# Altium PCB PCB2.PcbDoc (part 1 of 4) (continued)
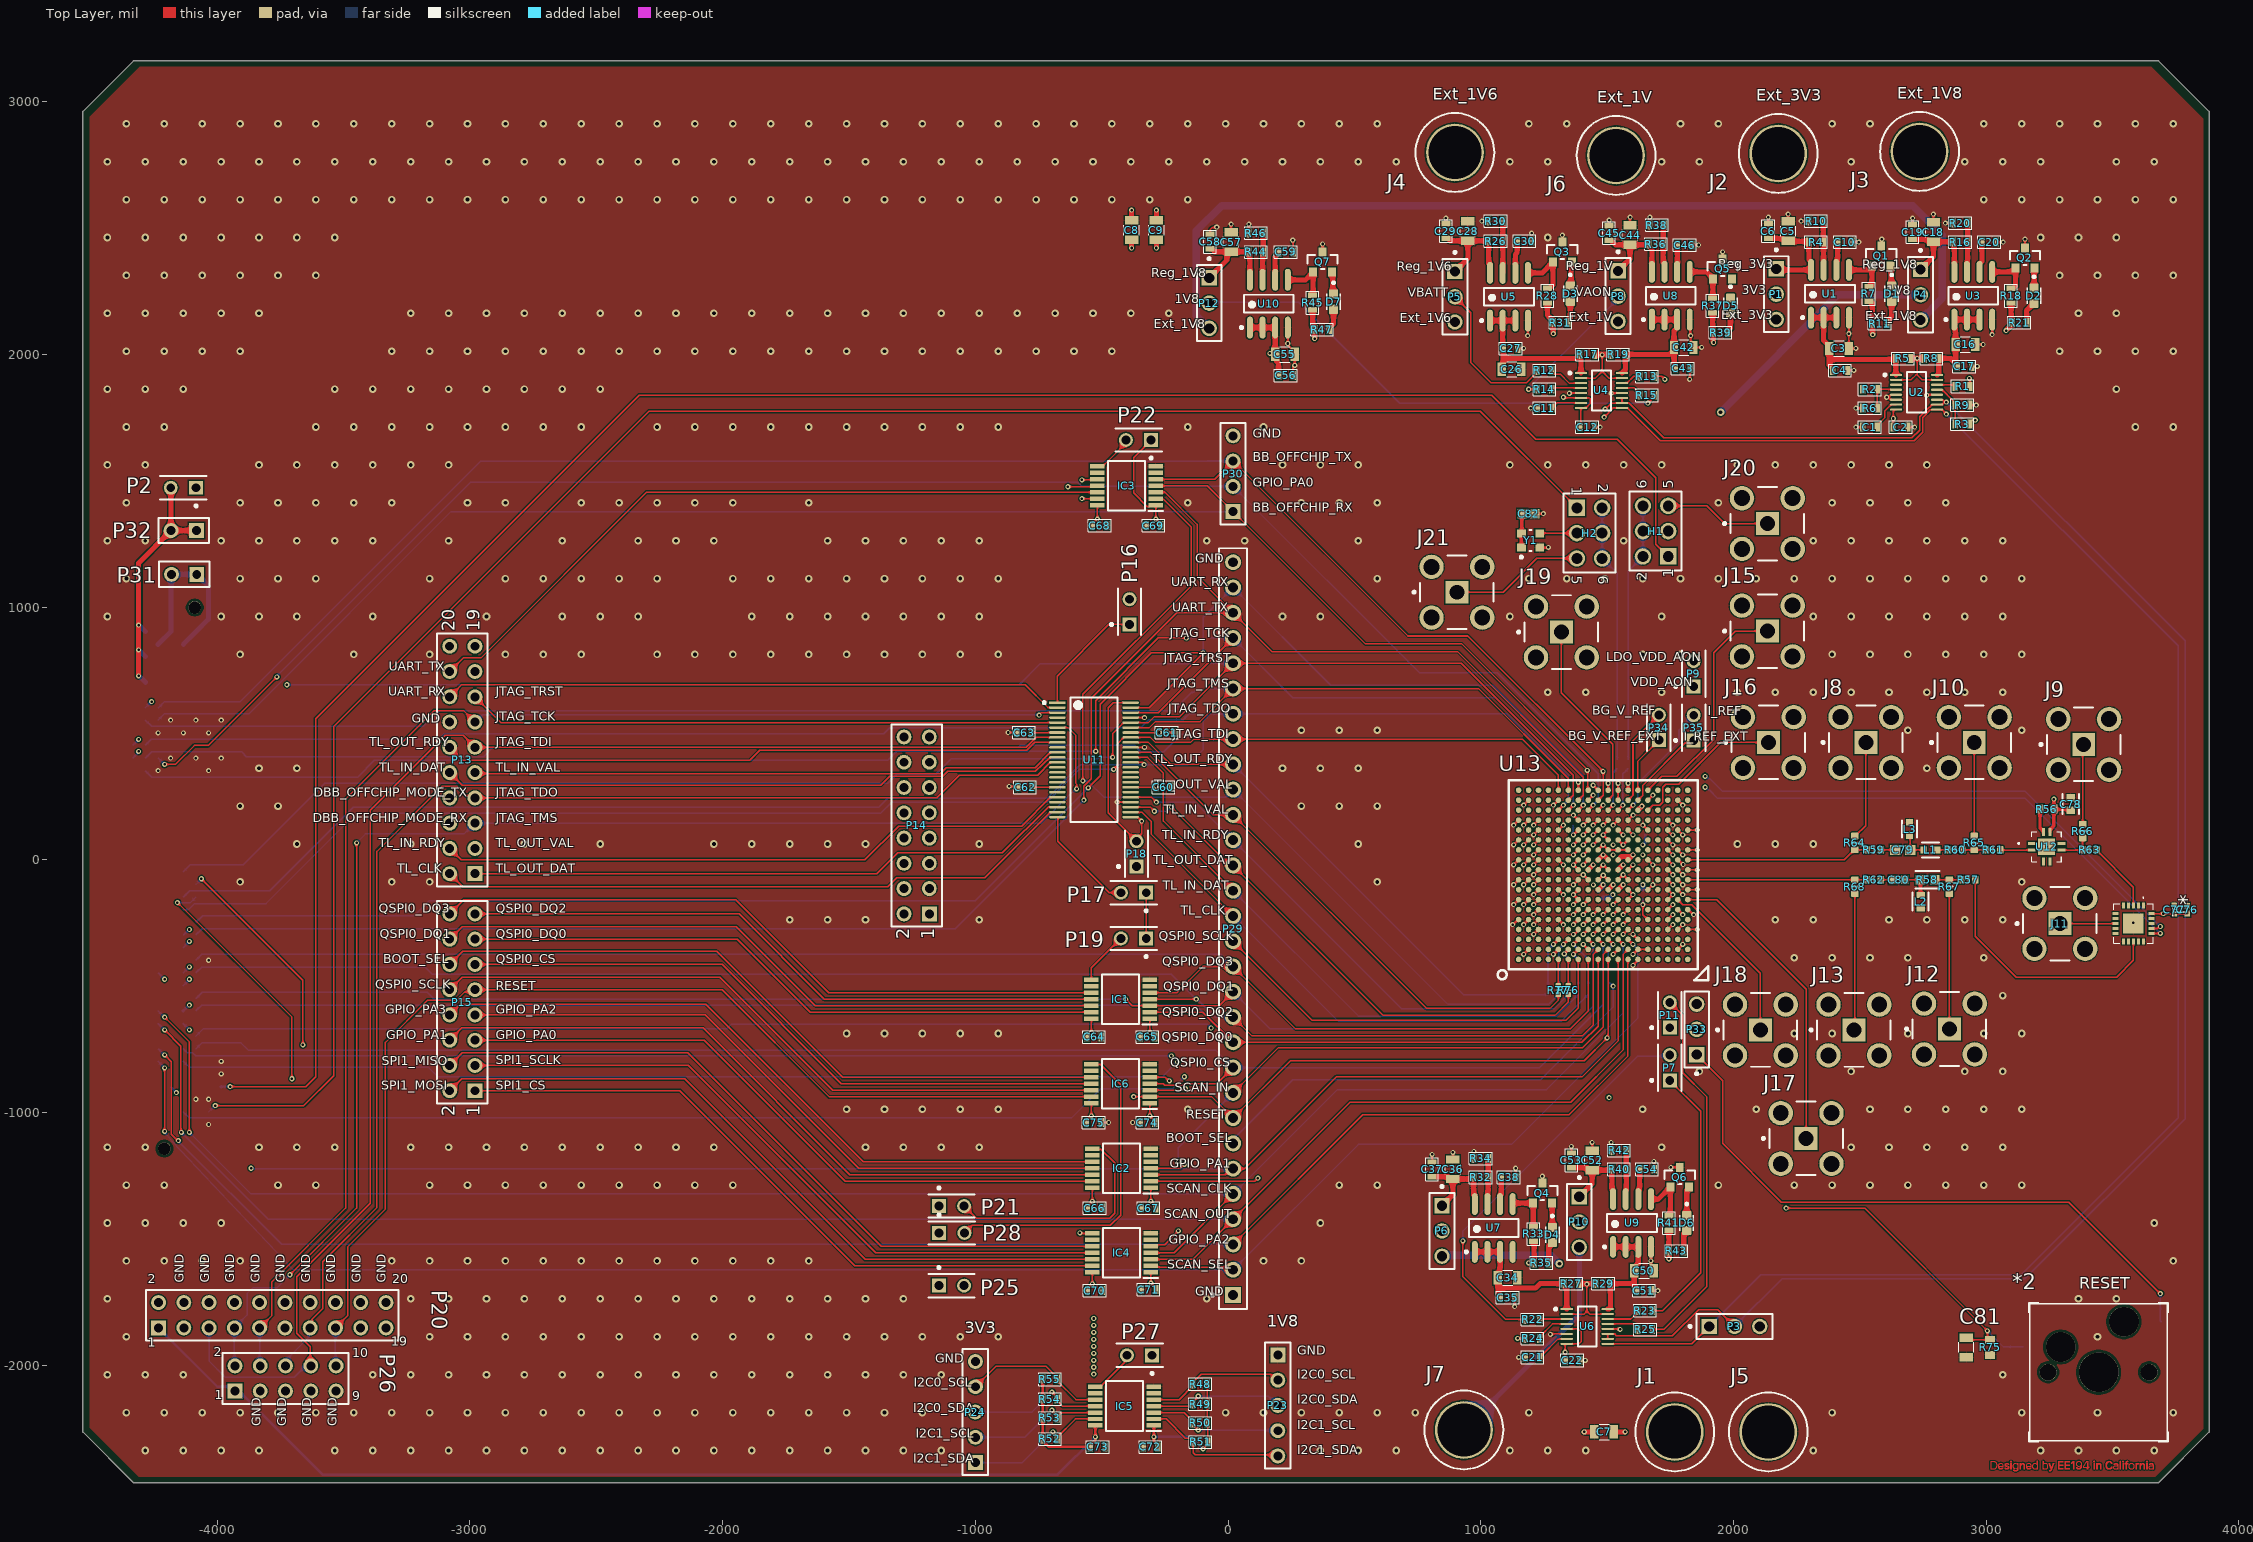
[diagram p0: Top Layer view]
## Components (designator, comment, footprint, x,y, rotation, side; value= is the part's Value field where it differs from the comment) (continued)
C77 "22pF" CAPC0402(1005)60_L 3744.09,-196.85 r90 top
C78 "1nF" FP-CL10-IPC_C 3334.65,220.47 r90 top
C79 "5.1p" CAPC1608X90X35NL15T15 2669.29,39.37 r0 top
C80 "3.6pF" CAPC1608X74X38LL10T13 2653.54,-78.74 r180 top
C81 "Cap" 0805 2921.26,-1929.13 r90 top value=10uF
C82 "Capacitor 100 nF +/-10% 50 V 0603" CAPC1608X90X40NL10T20 1188.98,1370.08 r180 top value=100nF
D1 "LTW-C191DS5" LED0603 2625.98,2240.16 r270 top
D2 "LTW-C191DS5" LED0603 3188.98,2232.28 r270 top
D3 "LTW-C191DS5" LED0603 1354.33,2240.16 r270 top
D4 "LTW-C191DS5" LED0603 1283.46,-1484.25 r270 top
D5 "LTW-C191DS5" LED0603 1988.19,2192.91 r270 top
D6 "LTW-C191DS5" LED0603 1814.96,-1437.01 r270 top
D7 "LTW-C191DS5" LED0603 417.32,2208.66 r270 top
H1 "61300621121" 61300621121 1691.73,1300.79 r90 top
H2 "61300621121" 61300621121 1430.31,1292.91 r270 top
IC1 "LSF0204QPWRQ1" SOP65P640X120-14N -425.2,-551.18 r180 top
IC2 "LSF0204QPWRQ1" SOP65P640X120-14N -421.26,-1220.47 r180 top
IC3 "LSF0204QPWRQ1" SOP65P640X120-14N -401.57,1480.32 r180 top
IC4 "LSF0204QPWRQ1" SOP65P640X120-14N -421.26,-1555.12 r180 top
IC5 "LSF0204QPWRQ1" SOP65P640X120-14N -409.45,-2161.42 r180 top
IC6 "LSF0204QPWRQ1" SOP65P640X120-14N -425.2,-885.83 r180 top
J1 "575-8" KSTN-575-8 1767.72,-2263.78 r0 top
J2 "575-8" KSTN-575-8 2177.17,2795.28 r0 top
J3 "575-8" KSTN-575-8 2736.22,2803.15 r0 top
J4 "575-8" KSTN-575-8 897.64,2799.21 r0 top
J5 "575-8" KSTN-575-8 2137.8,-2263.78 r0 top
J6 "575-8" KSTN-575-8 1535.43,2787.4 r0 top
J7 "575-8" KSTN-575-8 933.07,-2255.91 r0 top
J8 "Con RF SMA" FP-RF2-04A-T-00-50-G-MFG 2523.62,464.57 r0 top
J9 "Con RF SMA" FP-RF2-04A-T-00-50-G-MFG 3385.83,456.69 r0 top
J10 "Con RF SMA" FP-RF2-04A-T-00-50-G-MFG 2952.76,464.57 r0 top
J11 "Con RF SMA" FP-RF2-04A-T-00-50-G-MFG 3291.34,-251.97 r0 top
J12 "Con RF SMA" FP-RF2-04A-T-00-50-G-MFG 2854.33,-669.29 r0 top
J13 "Con RF SMA" FP-RF2-04A-T-00-50-G-MFG 2476.38,-673.23 r0 top
J14 "ASP-134488-01" SAMTEC_ASP-134488-01 -4209.25,-72.24 r270 bottom locked
J15 "Con RF SMA" FP-RF2-04A-T-00-50-G-MFG 2133.86,905.51 r0 top
J16 "Con RF SMA" FP-RF2-04A-T-00-50-G-MFG 2137.8,464.57 r0 top
J17 "Con RF SMA" FP-RF2-04A-T-00-50-G-MFG 2287.4,-1102.36 r0 top
J18 "Con RF SMA" FP-RF2-04A-T-00-50-G-MFG 2106.3,-673.23 r0 top
J19 "Con RF SMA" FP-RF2-04A-T-00-50-G-MFG 1318.9,901.57 r0 top
J20 "Con RF SMA" FP-RF2-04A-T-00-50-G-MFG 2133.86,1330.71 r0 top
J21 "Con RF SMA" FP-RF2-04A-T-00-50-G-MFG 905.51,1059.06 r0 top
L1 "3.3nH" FP-LQG18HH_00-MFG 2779.53,39.37 r0 top
L2 "0.5nH" FP-LQW18AN_00-MFG 2740.16,-165.35 r90 top
L3 "3.9nH" FP-LQG18HH_00-MFG 2696.85,122.05 r90 top
P1 "22-28-4033" MOLX-22-28-4033_V 2169.29,2238.58 r270 top
P2 "5-146280-2" TECO-5-146280-2_V -4133.86,1472.44 r180 top
P3 "22-28-4033" MOLX-22-28-4033_V 2003.94,-1846.46 r0 top
P4 "22-28-4033" MOLX-22-28-4033_V 2740.16,2236.22 r270 top
P5 "22-28-4033" MOLX-22-28-4033_V 897.64,2228.35 r270 top
P6 "22-28-4033" MOLX-22-28-4033_V 846.46,-1468.5 r270 top
P7 "5-146280-2" TECO-5-146280-2_V 1748.03,-822.83 r90 top
P8 "22-28-4033" MOLX-22-28-4033_V 1543.31,2230.71 r270 top
P9 "5-146280-2" TECO-5-146280-2_V 1842.52,736.22 r90 top
P10 "22-28-4033" MOLX-22-28-4033_V 1389.76,-1433.07 r270 top
P11 "5-146280-2" TECO-5-146280-2_V 1748.03,-614.17 r90 top
P12 "22-28-4033" MOLX-22-28-4033_V -74.8,2203.15 r270 top
P13 "Header 10X2" HDR2X10 -2980.32,-54.72 r90 top
P14 "Header 8X2" HDR2X8 -1182.32,-213.72 r90 top locked
P15 "Header 8X2" HDR2X8 -2980.32,-913.72 r90 top
P16 "5-146280-2" TECO-5-146280-2_V -389.76,981.5 r90 top
P17 "5-146280-2" TECO-5-146280-2_V -374.02,-129.92 r180 top
P18 "5-146280-2" TECO-5-146280-2_V -362.2,23.62 r90 top
P19 "5-146280-2" TECO-5-146280-2_V -374.02,-311.02 r180 top
P20 "Header 10X2" HDR2X10 -4232.28,-1851.97 r0 top
P21 "5-146280-2" TECO-5-146280-2_V -1094.49,-1370.08 r0 top
P22 "5-146280-2" TECO-5-146280-2_V -354.33,1661.42 r180 top
P23 "Header 5" HDR1X5 196.85,-1959.06 r270 top
P24 "Header 5" HDR1X5 -1000,-2385.04 r90 top
P25 "5-146280-2" TECO-5-146280-2_V -1094.49,-1685.04 r0 top
P26 "Header 5X2" HDR2X5 -3929.92,-2102.36 r0 top
P27 "5-146280-2" TECO-5-146280-2_V -350.39,-1960.63 r180 top
P28 "5-146280-2" TECO-5-146280-2_V -1093.31,-1476.38 r0 top
P29 "Header 30" HDR1X30 19.68,-1722.05 r90 top locked
P30 "Header 4" HDR1X4 19.68,1377.95 r90 top
P31 "Header 2" HDR1X2 -4081.1,1129.92 r180 top
P32 "Header 2" HDR1X2 -4082.68,1303.15 r180 top
P33 "22-28-4033" MOLX-22-28-4033_V 1854.33,-670.87 r90 top
P34 "5-146280-2" TECO-5-146280-2_V 1704.72,523.62 r90 top
P35 "5-146280-2" TECO-5-146280-2_V 1842.52,522.44 r90 top
Q1 "FDV301N" FP-318-08-MFG 2584.65,2389.76 r90 top
Q2 "FDV301N" FP-318-08-MFG 3153.54,2381.89 r90 top
Q3 "FDV301N" FP-318-08-MFG 1322.83,2405.51 r90 top
Q4 "FDV301N" FP-318-08-MFG 1244.09,-1318.9 r90 top
Q5 "FDV301N" FP-318-08-MFG 1956.69,2338.58 r90 top
Q6 "FDV301N" FP-318-08-MFG 1787.4,-1255.91 r90 top
Q7 "FDV301N" FP-318-08-MFG 374.02,2366.14 r90 top
R1 "Res1" 0603 2906.69,1874.02 r180 top value=1K
R2 "Res1" 0603 2539.37,1862.2 r0 top value=1K
R3 "Res1" 0603 2905.51,1724.41 r180 top value=1K
R4 "Res1" 0603 2326.77,2444.88 r180 top value=704.9K
R5 "Res1" 0603 2670.47,1984.25 r0 top value=0.05
R6 "Res1" 0603 2539.37,1787.4 r180 top value=1K
R7 "Res1" 0603 2535.43,2240.16 r90 top value=10K
R8 "Res1" 0603 2783.46,1984.25 r180 top value=0.05
R9 "Res1" 0603 2905.51,1799.21 r0 top value=1K
R10 "Res1" 0603 2326.77,2527.56 r0 top value=100K
R11 "Res1" 0603 2578.74,2122.05 r0 top value=110
R12 "Res1" 0603 1251.97,1937.01 r0 top value=1K
R13 "Res1" 0603 1657.48,1913.39 r180 top value=1K
R14 "Res1" 0603 1251.97,1862.2 r0 top value=1K
R15 "Res1" 0603 1657.48,1838.58 r180 top value=1K
R16 "Res1" 0603 2897.64,2444.88 r180 top value=339K
R17 "Res1" 0603 1421.26,2000 r0 top value=0.05
R18 "Res1" 0603 3098.43,2232.28 r90 top value=10K
R19 "Res1" 0603 1543.31,2000 r180 top value=0.05
R20 "Res1" 0603 2897.64,2519.69 r0 top value=100K
R21 "Res1" 0603 3131.1,2125.98 r0 top value=110
R22 "Res1" 0603 1204.72,-1818.9 r0 top value=1K
R23 "Res1" 0603 1649.61,-1783.46 r180 top value=1K
R24 "Res1" 0603 1204.72,-1893.7 r0 top value=1K
R25 "Res1" 0603 1650.79,-1858.27 r180 top value=1K
R26 "Res1" 0603 1059.06,2448.82 r180 top value=297.2K
R27 "Res1" 0603 1358.27,-1677.17 r0 top value=0.05
R28 "Res1" 0603 1263.78,2232.28 r90 top value=10K
R29 "Res1" 0603 1484.25,-1677.17 r180 top value=0.05
R30 "Res1" 0603 1059.06,2527.56 r0 top value=100K
R31 "Res1" 0603 1314.96,2125.98 r0 top value=110
R32 "Res1" 0603 1000,-1255.91 r180 top value=107.3K
R33 "Res1" 0603 1208.66,-1480.31 r90 top value=10K
R34 "Res1" 0603 1000,-1181.1 r0 top value=100K
R35 "Res1" 0603 1240.16,-1594.49 r0 top value=165
R36 "Res1" 0603 1692.91,2437.01 r180 top value=107.3K
R37 "Res1" 0603 1917.32,2192.91 r90 top value=10K
R38 "Res1" 0603 1696.85,2511.81 r0 top value=100K
R39 "Res1" 0603 1948.82,2086.61 r0 top value=165
R40 "Res1" 0603 1547.24,-1224.41 r180 top value=107.3K
R41 "Res1" 0603 1744.09,-1437.01 r90 top value=10K
R42 "Res1" 0603 1547.24,-1149.61 r0 top value=100K
R43 "Res1" 0603 1774.41,-1547.24 r0 top value=165
R44 "Res1" 0603 110.24,2405.51 r180 top value=339K
R45 "Res1" 0603 334.65,2204.72 r90 top value=10K
R46 "Res1" 0603 110.24,2480.32 r0 top value=100K
R47 "Res1" 0603 371.26,2098.43 r0 top value=110
R48 "Res1" 0603 -110.24,-2074.8 r0 top value=4.7K
R49 "Res1" 0603 -110.24,-2153.54 r0 top value=4.7K
R50 "Res1" 0603 -110.24,-2228.35 r0 top value=4.7K
R51 "Res1" 0603 -109.06,-2303.15 r0 top value=4.7K
R52 "Res1" 0603 -704.72,-2291.34 r180 top value=4.7K
R53 "Res1" 0603 -704.72,-2208.66 r180 top value=4.7K
R54 "Res1" 0603 -704.72,-2133.86 r180 top value=4.7K
R55 "Res1" 0603 -704.72,-2055.12 r180 top value=4.7K
R56 "33.2 Ohm" RESC1608X55X25NL10T15 3240.16,200.79 r0 top
R57 "0R3J" RESC0603(1608)_L 2929.13,-78.74 r0 top value=0
R58 "0 Ohm" FP-CRCW0603-C-IPC_B 2767.72,-78.74 r180 top
R59 "0R3J" RESC0603(1608)_L 2555.12,39.37 r180 top value=0
R60 "0R3J" RESC0603(1608)_L 2877.95,39.37 r180 top value=0
R61 "0R3J" RESC0603(1608)_L 3027.56,39.37 r180 top value=0
R62 "0R3J" RESC0603(1608)_L 2555.12,-78.74 r0 top value=0
R63 "0R3J" RESC0603(1608)_L 3409.45,39.37 r180 top value=0
R64 "0R3J" RESC0603(1608)_L 2480.31,66.93 r270 top value=0
R65 "0R3J" RESC0603(1608)_L 2952.76,66.93 r270 top value=0
R66 "0R3J" RESC0603(1608)_L 3381.89,114.17 r270 top value=0
R67 "0R3J" RESC0603(1608)_L 2854.33,-106.3 r90 top value=0
R68 "0R3J" RESC0603(1608)_L 2480.31,-106.3 r90 top value=0
R69 "0" 0603 -185.04,526.38 r90 bottom
R70 "0" 0603 -98.43,877.95 r0 bottom
R71 "0" 0603 -98.43,480.32 r0 bottom
R72 "0" 0603 -98.43,578.74 r0 bottom
R73 "0" 0603 -99.61,677.17 r0 bottom
R74 "0" 0603 -98.43,775.59 r0 bottom
R75 "Resistor 10k +/-1% 0603 100 mW" RESC1608X55X25ML10T15 3015.75,-1929.13 r90 top value=10k
R76 "0R2J" RESC0402(1005)_L 1346.46,-515.75 r270 top value=0
R77 "0R2J" RESC0402(1005)_L 1307.09,-515.75 r270 top value=0
R78 "0R2J" RESC0402(1005)_L 1385.83,-515.75 r270 bottom value=0
R79 "0R2J" RESC0402(1005)_L 1346.46,-515.75 r270 bottom value=0
R80 "0R2J" RESC0402(1005)_L 1539.37,377.95 r270 bottom value=0
R81 "0R2J" RESC0402(1005)_L 1425.2,-515.75 r270 bottom value=0
R82 "0R2J" RESC0402(1005)_L 1582.68,377.95 r270 bottom value=0
R83 "0R2J" RESC0402(1005)_L 1307.09,-515.75 r270 bottom value=0
R84 "0R2J" RESC0402(1005)_L 1267.72,-515.75 r270 bottom value=0
U1 "MCP1726-ADJE/SN" SOIC-SN8_N 2381.89,2240.16 r90 top
U2 "LTC2992IMS#PBF" FP-MS-16-05-08-1669-IPC_C 2724.41,1850.39 r0 top
U3 "MCP1726-ADJE/SN" SOIC-SN8_N 2948.82,2232.28 r90 top
U4 "LTC2992IMS#PBF" FP-MS-16-05-08-1669-IPC_C 1477.52,1857.4 r0 top
U5 "MCP1726-ADJE/SN" SOIC-SN8_N 1111.61,2228.35 r90 top
U6 "LTC2992IMS#PBF" FP-MS-16-05-08-1669-IPC_C 1421.26,-1846.46 r0 top
U7 "MCP1726-ADJE/SN" SOIC-SN8_N 1051.18,-1456.69 r90 top
U8 "MCP1726-ADJE/SN" SOIC-SN8_N 1751.97,2232.28 r90 top
U9 "MCP1726-ADJE/SN" SOIC-SN8_N 1598.43,-1437.01 r90 top
U10 "MCP1726-ADJE/SN" SOIC-SN8_N 161.42,2200.79 r90 top
U11 "SN74AVC16T245DGGR" FP-DGG0048A-IPC_B -530.53,395.67 r0 top
U12 "MNA-6A+" MNA-6A+-Footprint-1 3238.98,51.77 r0 top
U13 "SCuM-V" BGA324x18 1149.61,275.59 r0 top locked
Y1 "ECS-2520MVLC-320-CN-TR" FP-ECS-2520MVLC-MFG 1196.85,1263.78 r0 top

## Footprints (in the part's own frame and the unit in brackets; to place one, negate y for a bottom-side part, rotate by r counter-clockwise, add the part's x,y. Pads: shape width x height; smd on the part's side, far side on the other; paste and mask are expansions set on the pad)
0603 [mm]
  rect 0.55x0.9 smd: 1(-0.73,0) 2(0.73,0)
  silkscreen extent -1.14,-0.64 1.14,0.64
0805 [mm]
  rect 0.85x1.35 smd: 1(-0.98,0) 2(0.98,0)
  silkscreen extent -0.51,-0.76 0.51,0.76
61300621121 [mm] "Pin Header, pitch 2.54 mm, THT, Vertical, dual row, 6p"
  rect 1.65x1.65 hole 1.1: 1(-2.54,-1.27)
  round 1.65 hole 1.1: 2(-2.54,1.27) 3(0,-1.27) 4(0,1.27) 5(2.54,-1.27) 6(2.54,1.27)
  silkscreen extent -3.96,-2.62 3.96,2.62, body extent -3.81,-2.54 3.81,2.54, height 8.59
BGA324x18 [mm]
  round 0.56 smd: 1(0,0) 2(1,0) 3(2,0) 4(3,0) 5(4,0) 6(5,0) 7(6,0) 8(7,0) 9(8,0) 10(9,0) 11(10,0) 12(11,0) 13(12,0) 14(13,0) 15(14,0) 16(15,0) 17(16,0) 18(17,0) 19(0,-1) 20(1,-1) 21(2,-1) 22(3,-1) 23(4,-1) 24(5,-1) 25(6,-1) 26(7,-1) 27(8,-1) 28(9,-1) 29(10,-1) 30(11,-1) 31(12,-1) 32(13,-1) 33(14,-1) 34(15,-1) 35(16,-1) 36(17,-1) 37(0,-2) 38(1,-2) 39(2,-2) 40(3,-2) 41(4,-2) 42(5,-2) 43(6,-2) 44(7,-2) 45(8,-2) 46(9,-2) 47(10,-2) 48(11,-2) 49(12,-2) 50(13,-2) 51(14,-2) 52(15,-2) 53(16,-2) 54(17,-2) 55(0,-3) 56(1,-3) 57(2,-3) 58(3,-3) 59(4,-3) 60(5,-3) 61(6,-3) 62(7,-3) 63(8,-3) 64(9,-3) 65(10,-3) 66(11,-3) 67(12,-3) 68(13,-3) 69(14,-3) 70(15,-3) 71(16,-3) 72(17,-3) 73(0,-4) 74(1,-4) 75(2,-4) 76(3,-4) 77(4,-4) 78(5,-4) 79(6,-4) 80(7,-4) 81(8,-4) 82(9,-4) 83(10,-4) 84(11,-4) 85(12,-4) 86(13,-4) 87(14,-4) 88(15,-4) 89(16,-4) 90(17,-4) 91(0,-5) 92(1,-5) 93(2,-5) 94(3,-5) 95(4,-5) 96(5,-5) 97(6,-5) 98(7,-5) 99(8,-5) 100(9,-5) 101(10,-5) 102(11,-5) 103(12,-5) 104(13,-5) 105(14,-5) 106(15,-5) 107(16,-5) 108(17,-5) 109(0,-6) 110(1,-6) 111(2,-6) 112(3,-6) 113(4,-6) 114(5,-6) 115(6,-6) 116(7,-6) 117(8,-6) 118(9,-6) 119(10,-6) 120(11,-6) 121(12,-6) 122(13,-6) 123(14,-6) 124(15,-6) 125(16,-6) 126(17,-6) 127(0,-7) 128(1,-7) 129(2,-7) 130(3,-7) 131(4,-7) 132(5,-7) 133(6,-7) 134(7,-7) 135(8,-7) 136(9,-7) 137(10,-7) 138(11,-7) 139(12,-7) 140(13,-7) 141(14,-7) 142(15,-7) 143(16,-7) 144(17,-7) 145(0,-8) 146(1,-8) 147(2,-8) 148(3,-8) 149(4,-8) 150(5,-8) 151(6,-8) 152(7,-8) 153(8,-8) 154(9,-8) 155(10,-8) 156(11,-8) 157(12,-8) 158(13,-8) 159(14,-8) 160(15,-8) 161(16,-8) 162(17,-8) 163(0,-9) 164(1,-9) 165(2,-9) 166(3,-9) 167(4,-9) 168(5,-9) 169(6,-9) 170(7,-9) 171(8,-9) 172(9,-9) 173(10,-9) 174(11,-9) 175(12,-9) 176(13,-9) 177(14,-9) 178(15,-9) 179(16,-9) 180(17,-9) 181(0,-10) 182(1,-10) 183(2,-10) 184(3,-10) 185(4,-10) 186(5,-10) 187(6,-10) 188(7,-10) 189(8,-10) 190(9,-10) 191(10,-10) 192(11,-10) 193(12,-10) 194(13,-10) 195(14,-10) 196(15,-10) 197(16,-10) 198(17,-10) 199(0,-11) 200(1,-11) 201(2,-11) 202(3,-11) 203(4,-11) 204(5,-11) 205(6,-11) 206(7,-11) 207(8,-11) 208(9,-11) 209(10,-11) 210(11,-11) 211(12,-11) 212(13,-11) 213(14,-11) 214(15,-11) 215(16,-11) 216(17,-11) 217(0,-12) 218(1,-12) 219(2,-12) 220(3,-12) 221(4,-12) 222(5,-12) 223(6,-12) 224(7,-12) 225(8,-12) 226(9,-12) 227(10,-12) 228(11,-12) 229(12,-12) 230(13,-12) 231(14,-12) 232(15,-12) 233(16,-12) 234(17,-12) 235(0,-13) 236(1,-13) 237(2,-13) 238(3,-13) 239(4,-13) 240(5,-13) 241(6,-13) 242(7,-13) 243(8,-13) 244(9,-13) 245(10,-13) 246(11,-13) 247(12,-13) 248(13,-13) 249(14,-13) 250(15,-13) 251(16,-13) 252(17,-13) 253(0,-14) 254(1,-14) 255(2,-14) 256(3,-14) 257(4,-14) 258(5,-14) 259(6,-14) 260(7,-14) 261(8,-14) 262(9,-14) 263(10,-14) 264(11,-14) 265(12,-14) 266(13,-14) 267(14,-14) 268(15,-14) 269(16,-14) 270(17,-14) 271(0,-15) 272(1,-15) 273(2,-15) 274(3,-15) 275(4,-15) 276(5,-15) 277(6,-15) 278(7,-15) 279(8,-15) 280(9,-15) 281(10,-15) 282(11,-15) 283(12,-15) 284(13,-15) 285(14,-15) 286(15,-15) 287(16,-15) 288(17,-15) 289(0,-16) 290(1,-16) 291(2,-16) 292(3,-16) 293(4,-16) 294(5,-16) 295(6,-16) 296(7,-16) 297(8,-16) 298(9,-16) 299(10,-16) 300(11,-16) 301(12,-16) 302(13,-16) 303(14,-16) 304(15,-16) 305(16,-16) 306(17,-16) 307(0,-17) 308(1,-17) 309(2,-17) 310(3,-17) 311(4,-17) 312(5,-17) 313(6,-17) 314(7,-17) 315(8,-17) 316(9,-17) 317(10,-17) 318(11,-17) 319(12,-17) 320(13,-17) 321(14,-17) 322(15,-17) 323(16,-17) 324(17,-17)
  silkscreen extent -2.11,-19.11 19.05,1
CAPC0402(1005)60_L [mm] "Chip Capacitor, Body 1.0x0.5mm, Height 0.6mm, IPC High Density"
  rrect25% 0.5x0.55 smd: 1(-0.45,0) 2(0.45,0)
  silkscreen extent 0,-0.2 0,0.2, body extent -0.5,-0.25 0.5,0.25, height 0.6
CAPC1005X56X25LL10T15 [mm] "Chip Capacitor, 2-Leads, Body 1.10x0.60mm, IPC High Density"
  rect 0.58x0.54 smd: 1(-0.39,0) 2(0.39,0)
  body extent -0.55,-0.3 0.55,0.3, height 0.56
CAPC1608X74X38LL10T13 [mm] "Chip Capacitor, 2-Leads, Body 1.60x0.84mm, IPC High Density"
  rect 0.75x0.9 smd: 1(-0.6,0) 2(0.6,0)
  body extent -0.85,-0.47 0.85,0.47, height 0.74
CAPC1608X90X35NL15T15 [mm] "Chip Capacitor, 2-Leads, Body 1.60x0.81mm, IPC Medium Density"
  rect 1.05x1 smd: 1(-0.75,0) 2(0.75,0)
  body extent -0.88,-0.48 0.87,0.48, height 0.9
CAPC1608X90X40NL10T20 [mm] "Chip Capacitor, 2-Leads, Body 1.70x0.90mm, IPC Medium Density"
  rect 0.95x0.95 smd: 1(-0.625,0) 2(0.625,0)
  body extent -0.85,-0.45 0.85,0.45, height 0.9
FP-318-08-MFG [mm]
  rect 0.9x0.8 smd paste+0 mask+0: 1(-1,0.95) 2(-1,-0.95) 3(1,0)
  silkscreen extent -0.7,-1.52 0.7,1.52, body extent -1.55,-1.62 1.55,1.62, height 0.25
FP-CL10-IPC_C [mil]
  rect 29.85x31.97 smd paste+0 mask+0: 1(-24.68,0) 2(24.68,0)
  silkscreen extent -40,-33 40,33, body extent -44,-22 44,22, height 10
FP-CRCW0603-C-IPC_B [mil]
  rect 37.72x35.91 smd paste+0 mask+0: 1(-28.62,0) 2(28.62,0)
  silkscreen extent -47,-34 47,34, body extent -57,-28 57,28, height 10
FP-DGG0048A-IPC_B [mm]
  rect 1.655x0.252 smd paste+0 mask+0: 1(-3.675,5.75)
  rrect100% 1.655x0.252 smd paste+0 mask+0: 2(-3.675,5.25) 3(-3.675,4.75) 4(-3.675,4.25) 5(-3.675,3.75) 6(-3.675,3.25) 7(-3.675,2.75) 8(-3.675,2.25) 9(-3.675,1.75) 10(-3.675,1.25) 11(-3.675,0.75) 12(-3.675,0.25) 13(-3.675,-0.25) 14(-3.675,-0.75) 15(-3.675,-1.25) 16(-3.675,-1.75) 17(-3.675,-2.25) 18(-3.675,-2.75) 19(-3.675,-3.25) 20(-3.675,-3.75) 21(-3.675,-4.25) 22(-3.675,-4.75) 23(-3.675,-5.25) 24(-3.675,-5.75) 25(3.675,-5.75) 26(3.675,-5.25) 27(3.675,-4.75) 28(3.675,-4.25) 29(3.675,-3.75) 30(3.675,-3.25) 31(3.675,-2.75) 32(3.675,-2.25) 33(3.675,-1.75) 34(3.675,-1.25) 35(3.675,-0.75) 36(3.675,-0.25) 37(3.675,0.25) 38(3.675,0.75) 39(3.675,1.25) 40(3.675,1.75) 41(3.675,2.25) 42(3.675,2.75) 43(3.675,3.25) 44(3.675,3.75) 45(3.675,4.25) 46(3.675,4.75) 47(3.675,5.25) 48(3.675,5.75)
  silkscreen extent -5.13,-6.25 2.35,6.25
FP-ECS-2520MVLC-MFG [mm]
  rect 0.9x0.8 smd paste+0 mask+0: 1(-0.925,-0.725) 2(0.925,-0.725) 3(0.925,0.725) 4(-0.925,0.725)
  silkscreen extent -1.05,-1.8 0.1,1.05, body extent -1.48,-1.22 1.48,1.22, height 0.25
FP-LQG18HH_00-MFG [mm]
  rect 0.65x0.7 smd paste+0 mask+0: 1(-0.675,0) 2(0.675,0)
  silkscreen extent -0.87,-0.75 0.87,0.75, body extent -1.1,-0.58 1.1,0.58, height 0.25
FP-LQW18AN_00-MFG [mm]
  rect 0.625x0.85 smd paste+0 mask+0: 1(-0.663,0) 2(0.663,0)
  silkscreen extent -0.9,-0.82 0.9,0.82, body extent -1.07,-0.6 1.07,0.6, height 0.25
FP-MS-16-05-08-1669-IPC_C [mm]
  rect 1.24x0.212 smd paste+0 mask+0: 1(-2.06,1.75)
  rrect100% 1.24x0.212 smd paste+0 mask+0: 2(-2.06,1.25) 3(-2.06,0.75) 4(-2.06,0.25) 5(-2.06,-0.25) 6(-2.06,-0.75) 7(-2.06,-1.25) 8(-2.06,-1.75) 9(2.06,-1.75) 10(2.06,-1.25) 11(2.06,-0.75) 12(2.06,-0.25) 13(2.06,0.25) 14(2.06,0.75) 15(2.06,1.25) 16(2.06,1.75)
  silkscreen extent -3.3,-2.02 0.94,2.02, body extent -2.78,-2.12 2.78,2.12, height 0.25
FP-RF2-04A-T-00-50-G-MFG [mm]
  rect 2.3x2.3 hole 1.5 paste-1000 mask+0: 1(0,0)
  round 2.45 hole 1.6 paste-1000 mask+0: 2(-2.55,2.55) 3(2.55,2.55) 4(-2.55,-2.55) 5(2.55,-2.55)
  silkscreen extent -4.42,-3.7 3.7,3.7, body extent -3.88,-3.88 3.88,3.88, height 0.25
HDR1X2 [mm] "Connector; Header; 2 Position"
  rect 1.5x1.5 hole 0.9: 1(0,0)
  round 1.5 hole 0.9: 2(2.54,0)
  silkscreen extent -1.27,-1.27 3.81,1.27
HDR1X4 [mm] "Connector; Header; 4 Position"
  rect 1.5x1.5 hole 0.9: 1(0,0)
  round 1.5 hole 0.9: 2(2.54,0) 3(5.08,0) 4(7.62,0)
  silkscreen extent -1.27,-1.27 8.89,1.27
HDR1X5 [mm] "Connector; Header; 5 Position"
  rect 1.5x1.5 hole 0.9: 1(0,0)
  round 1.5 hole 0.9: 2(2.54,0) 3(5.08,0) 4(7.62,0) 5(10.16,0)
  silkscreen extent -1.27,-1.27 11.43,1.27
HDR1X30 [mm] "Connector; Header; 30 Position"
  rect 1.6x1.6 hole 0.99: 1(0,0)
  round 1.6 hole 0.99: 2(2.54,0) 3(5.08,0) 4(7.62,0) 5(10.16,0) 6(12.7,0) 7(15.24,0) 8(17.78,0) 9(20.32,0) 10(22.86,0) 11(25.4,0) 12(27.94,0) 13(30.48,0) 14(33.02,0) 15(35.56,0) 16(38.1,0) 17(40.64,0) 18(43.18,0) 19(45.72,0) 20(48.26,0) 21(50.8,0) 22(53.34,0) 23(55.88,0) 24(58.42,0) 25(60.96,0) 26(63.5,0) 27(66.04,0) 28(68.58,0) 29(71.12,0) 30(73.66,0)
  silkscreen extent -1.4,-1.4 75.06,2.17
HDR2X5 [mm] "Connector; Header; 5x2 Position"
  rect 1.5x1.5 hole 0.9: 1(0,0)
  round 1.5 hole 0.9: 2(0,2.54) 3(2.54,0) 4(2.54,2.54) 5(5.08,0) 6(5.08,2.54) 7(7.62,0) 8(7.62,2.54) 9(10.16,0) 10(10.16,2.54)
  silkscreen extent -1.27,-1.27 11.43,3.81
HDR2X8 [mm] "Connector; Header; 8x2 Position"
  rect 1.5x1.5 hole 0.9: 1(0,0)
  round 1.5 hole 0.9: 2(0,2.54) 3(2.54,0) 4(2.54,2.54) 5(5.08,0) 6(5.08,2.54) 7(7.62,0) 8(7.62,2.54) 9(10.16,0) 10(10.16,2.54) 11(12.7,0) 12(12.7,2.54) 13(15.24,0) 14(15.24,2.54) 15(17.78,0) 16(17.78,2.54)
  silkscreen extent -1.27,-1.27 19.05,3.81
HDR2X10 [mm] "Connector; Header; 10x2 Position"
  rect 1.5x1.5 hole 0.9: 1(0,0)
  round 1.5 hole 0.9: 2(0,2.54) 3(2.54,0) 4(2.54,2.54) 5(5.08,0) 6(5.08,2.54) 7(7.62,0) 8(7.62,2.54) 9(10.16,0) 10(10.16,2.54) 11(12.7,0) 12(12.7,2.54) 13(15.24,0) 14(15.24,2.54) 15(17.78,0) 16(17.78,2.54) 17(20.32,0) 18(20.32,2.54) 19(22.86,0) 20(22.86,2.54)
  silkscreen extent -1.27,-1.27 24.13,3.81
HSWA2-63DR+-Footprint-1 [mm]
  rect 0.6x0.31 smd: 1(-1.8,1) 2(-1.8,0.5) 3(-1.8,0) 4(-1.8,-0.5) 5(-1.8,-1) 11(1.8,-1) 12(1.8,-0.5) 13(1.8,0) 14(1.8,0.5) 15(1.8,1)
  rect 0.31x0.6 smd: 6(-1,-1.8) 7(-0.5,-1.8) 8(0,-1.8) 9(0.5,-1.8) 10(1,-1.8) 16(1,1.8) 17(0.5,1.8) 18(0,1.8) 19(-0.5,1.8) 20(-1,1.8)
  rect 2.05x2.05 smd: 21(0,0)
  silkscreen extent -2.65,-2 2,2, body extent -2,-2 2,2, height 1.12
KSTN-575-8 [mm] "Banana Jack, Dia 7.92 mm"
  round 5.81 hole 5.31: 1(0,0)
  silkscreen extent -3.96,-3.96 3.96,3.96, body extent -3.96,-3.96 3.96,3.96, height 2.36
LED0603 [mm]
  rrect25% 0.91x0.93 smd: A(0.76,0) C(-0.76,0)
  silkscreen extent -2.02,-0.68 0.8,0.68
MNA-6A+-Footprint-1 [mm]
  rect 0.79x0.3 smd: 1(-1.485,0.33) 2(-1.485,-0.33) 5(1.485,-0.33) 6(1.485,0.33)
  rect 0.3x0.79 smd: 3(-0.33,-1.485) 4(0.33,-1.485) 7(0.33,1.485) 8(-0.33,1.485)
  rect 1.7x1.7 smd: 9(0,0)
  silkscreen extent -2.85,-1.5 1.5,1.5, body extent -1.5,-1.5 1.5,1.5, height 1.09
MOLX-22-28-4033_V [mm] "THD, 3-Leads, Body 7.62x2.49mm, Pitch 2.54mm"
  rect 1.55x1.55 hole 1.02: 1(-2.54,0)
  round 1.55 hole 1.02: 2(0,0) 3(2.54,0)
  silkscreen extent -4.58,-1.24 3.81,1.24, body extent -3.81,-1.24 3.81,1.24, height 8.38
"New footprint 1" [mm]
  rect 2.55x2.5 smd far side: 1(6.29,5.08) 2(-7.56,2.54)
  rect 1.8x0.82 smd far side: 3(-2.794,-4.191) 4(-2.794,-5.842) 5(2.794,-5.842) 6(2.794,-4.191)
  round 3 hole 3: Un1(2.54,5.08) Un2(-3.81,2.54)
  round 3.988 hole 3.988: Un3(0,0)
  round 1.702 hole 1.702: Un4(5.08,0) Un5(-5.08,0)
  silkscreen extent -7,-7 7,7
RESC0402(1005)_L [mm] "Chip Resistor, Body 1.0x0.5mm, IPC High Density"
  rrect25% 0.5x0.55 smd: 1(-0.45,0) 2(0.45,0)
  silkscreen extent 0,-0.2 0,0.2, body extent -0.5,-0.25 0.5,0.25, height 0.3
RESC0603(1608)_L [mm] "Chip Resistor, Body 1.6x0.8mm, IPC High Density"
  rrect25% 0.66x0.76 smd: 1(-0.7,0) 2(0.7,0)
  silkscreen extent 0,-0.3 0,0.3, body extent -0.8,-0.4 0.8,0.4, height 0.45
RESC1608X55X25ML10T15 [mm] "Chip Resistor, 2-Leads, Body 1.70x0.90mm, IPC Low Density"
  rect 0.8x1 smd: 1(-0.75,0) 2(0.75,0)
  body extent -0.85,-0.45 0.85,0.45, height 0.55
RESC1608X55X25NL10T15 [mm] "Chip Resistor, 2-Leads, Body 1.60x0.80mm, IPC Medium Density"
  rect 0.7x0.9 smd: 1(-0.7,0) 2(0.7,0)
  body extent -0.85,-0.45 0.85,0.45, height 0.55
SAMTEC_ASP-134488-01 [mm]
  round 0.64 smd paste+0.125: A1(24.765,5.715) A2(23.495,5.715) A3(22.225,5.715) A4(20.955,5.715) A5(19.685,5.715) A6(18.415,5.715) A7(17.145,5.715) A8(15.875,5.715) A9(14.605,5.715) A10(13.335,5.715) A11(12.065,5.715) A12(10.795,5.715) A13(9.525,5.715) A14(8.255,5.715) A15(6.985,5.715) A16(5.715,5.715) A17(4.445,5.715) A18(3.175,5.715) A19(1.905,5.715) A20(0.635,5.715) A21(-0.635,5.715) A22(-1.905,5.715) A23(-3.175,5.715) A24(-4.445,5.715) A25(-5.715,5.715) A26(-6.985,5.715) A27(-8.255,5.715) A28(-9.525,5.715) A29(-10.795,5.715) A30(-12.065,5.715) A31(-13.335,5.715) A32(-14.605,5.715) A33(-15.875,5.715) A34(-17.145,5.715) A35(-18.415,5.715) A36(-19.685,5.715) A37(-20.955,5.715) A38(-22.225,5.715) A39(-23.495,5.715) A40(-24.765,5.715) B1(24.765,4.445) B2(23.495,4.445) B3(22.225,4.445) B4(20.955,4.445) B5(19.685,4.445) B6(18.415,4.445) B7(17.145,4.445) B8(15.875,4.445) B9(14.605,4.445) B10(13.335,4.445) B11(12.065,4.445) B12(10.795,4.445) B13(9.525,4.445) B14(8.255,4.445) B15(6.985,4.445) B16(5.715,4.445) B17(4.445,4.445) B18(3.175,4.445) B19(1.905,4.445) B20(0.635,4.445) B21(-0.635,4.445) B22(-1.905,4.445) B23(-3.175,4.445) B24(-4.445,4.445) B25(-5.715,4.445) B26(-6.985,4.445) B27(-8.255,4.445) B28(-9.525,4.445) B29(-10.795,4.445) B30(-12.065,4.445) B31(-13.335,4.445) B32(-14.605,4.445) B33(-15.875,4.445) B34(-17.145,4.445) B35(-18.415,4.445) B36(-19.685,4.445) B37(-20.955,4.445) B38(-22.225,4.445) B39(-23.495,4.445) B40(-24.765,4.445) C1(24.765,3.175) C2(23.495,3.175) C3(22.225,3.175) C4(20.955,3.175) C5(19.685,3.175) C6(18.415,3.175) C7(17.145,3.175) C8(15.875,3.175) C9(14.605,3.175) C10(13.335,3.175) C11(12.065,3.175) C12(10.795,3.175) C13(9.525,3.175) C14(8.255,3.175) C15(6.985,3.175) C16(5.715,3.175) C17(4.445,3.175) C18(3.175,3.175) C19(1.905,3.175) C20(0.635,3.175) C21(-0.635,3.175) C22(-1.905,3.175) C23(-3.175,3.175) C24(-4.445,3.175) C25(-5.715,3.175) C26(-6.985,3.175) C27(-8.255,3.175) C28(-9.525,3.175) C29(-10.795,3.175) C30(-12.065,3.175) C31(-13.335,3.175) C32(-14.605,3.175) C33(-15.875,3.175) C34(-17.145,3.175) C35(-18.415,3.175) C36(-19.685,3.175) C37(-20.955,3.175) C38(-22.225,3.175) C39(-23.495,3.175) C40(-24.765,3.175) D1(24.765,1.905) D2(23.495,1.905) D3(22.225,1.905) D4(20.955,1.905) D5(19.685,1.905) D6(18.415,1.905) D7(17.145,1.905) D8(15.875,1.905) D9(14.605,1.905) D10(13.335,1.905) D11(12.065,1.905) D12(10.795,1.905) D13(9.525,1.905) D14(8.255,1.905) D15(6.985,1.905) D16(5.715,1.905) D17(4.445,1.905) D18(3.175,1.905) D19(1.905,1.905) D20(0.635,1.905) D21(-0.635,1.905) D22(-1.905,1.905) D23(-3.175,1.905) D24(-4.445,1.905) D25(-5.715,1.905) D26(-6.985,1.905) D27(-8.255,1.905) D28(-9.525,1.905) D29(-10.795,1.905) D30(-12.065,1.905) D31(-13.335,1.905) D32(-14.605,1.905) D33(-15.875,1.905) D34(-17.145,1.905) D35(-18.415,1.905) D36(-19.685,1.905) D37(-20.955,1.905) D38(-22.225,1.905) D39(-23.495,1.905) D40(-24.765,1.905) E1(24.765,0.635) E2(23.495,0.635) E3(22.225,0.635) E4(20.955,0.635) E5(19.685,0.635) E6(18.415,0.635) E7(17.145,0.635) E8(15.875,0.635) E9(14.605,0.635) E10(13.335,0.635) E11(12.065,0.635) E12(10.795,0.635) E13(9.525,0.635) E14(8.255,0.635) E15(6.985,0.635) E16(5.715,0.635) E17(4.445,0.635) E18(3.175,0.635) E19(1.905,0.635) E20(0.635,0.635) E21(-0.635,0.635) E22(-1.905,0.635) E23(-3.175,0.635) E24(-4.445,0.635) E25(-5.715,0.635) E26(-6.985,0.635) E27(-8.255,0.635) E28(-9.525,0.635) E29(-10.795,0.635) E30(-12.065,0.635) E31(-13.335,0.635) E32(-14.605,0.635) E33(-15.875,0.635) E34(-17.145,0.635) E35(-18.415,0.635) E36(-19.685,0.635) E37(-20.955,0.635) E38(-22.225,0.635) E39(-23.495,0.635) E40(-24.765,0.635) F1(24.765,-0.635) F2(23.495,-0.635) F3(22.225,-0.635) F4(20.955,-0.635) F5(19.685,-0.635) F6(18.415,-0.635) F7(17.145,-0.635) F8(15.875,-0.635) F9(14.605,-0.635) F10(13.335,-0.635) F11(12.065,-0.635) F12(10.795,-0.635) F13(9.525,-0.635) F14(8.255,-0.635) F15(6.985,-0.635) F16(5.715,-0.635) F17(4.445,-0.635) F18(3.175,-0.635) F19(1.905,-0.635) F20(0.635,-0.635) F21(-0.635,-0.635) F22(-1.905,-0.635) F23(-3.175,-0.635) F24(-4.445,-0.635) F25(-5.715,-0.635) F26(-6.985,-0.635) F27(-8.255,-0.635) F28(-9.525,-0.635) F29(-10.795,-0.635) F30(-12.065,-0.635) F31(-13.335,-0.635) F32(-14.605,-0.635) F33(-15.875,-0.635) F34(-17.145,-0.635) F35(-18.415,-0.635) F36(-19.685,-0.635) F37(-20.955,-0.635) F38(-22.225,-0.635) F39(-23.495,-0.635) F40(-24.765,-0.635) G1(24.765,-1.905) G2(23.495,-1.905) G3(22.225,-1.905) G4(20.955,-1.905) G5(19.685,-1.905) G6(18.415,-1.905) G7(17.145,-1.905) G8(15.875,-1.905) G9(14.605,-1.905) G10(13.335,-1.905) G11(12.065,-1.905) G12(10.795,-1.905) G13(9.525,-1.905) G14(8.255,-1.905) G15(6.985,-1.905) G16(5.715,-1.905) G17(4.445,-1.905) G18(3.175,-1.905) G19(1.905,-1.905) G20(0.635,-1.905) G21(-0.635,-1.905) G22(-1.905,-1.905) G23(-3.175,-1.905) G24(-4.445,-1.905) G25(-5.715,-1.905) G26(-6.985,-1.905) G27(-8.255,-1.905) G28(-9.525,-1.905) G29(-10.795,-1.905) G30(-12.065,-1.905) G31(-13.335,-1.905) G32(-14.605,-1.905) G33(-15.875,-1.905) G34(-17.145,-1.905) G35(-18.415,-1.905) G36(-19.685,-1.905) G37(-20.955,-1.905) G38(-22.225,-1.905) G39(-23.495,-1.905) G40(-24.765,-1.905) H1(24.765,-3.175) H2(23.495,-3.175) H3(22.225,-3.175) H4(20.955,-3.175) H5(19.685,-3.175) H6(18.415,-3.175) H7(17.145,-3.175) H8(15.875,-3.175) H9(14.605,-3.175) H10(13.335,-3.175) H11(12.065,-3.175) H12(10.795,-3.175) H13(9.525,-3.175) H14(8.255,-3.175) H15(6.985,-3.175) H16(5.715,-3.175) H17(4.445,-3.175) H18(3.175,-3.175) H19(1.905,-3.175) H20(0.635,-3.175) H21(-0.635,-3.175) H22(-1.905,-3.175) H23(-3.175,-3.175) H24(-4.445,-3.175) H25(-5.715,-3.175) H26(-6.985,-3.175) H27(-8.255,-3.175) H28(-9.525,-3.175) H29(-10.795,-3.175) H30(-12.065,-3.175) H31(-13.335,-3.175) H32(-14.605,-3.175) H33(-15.875,-3.175) H34(-17.145,-3.175) H35(-18.415,-3.175) H36(-19.685,-3.175) H37(-20.955,-3.175) H38(-22.225,-3.175) H39(-23.495,-3.175) H40(-24.765,-3.175) J1(24.765,-4.445) J2(23.495,-4.445) J3(22.225,-4.445) J4(20.955,-4.445) J5(19.685,-4.445) J6(18.415,-4.445) J7(17.145,-4.445) J8(15.875,-4.445) J9(14.605,-4.445) J10(13.335,-4.445) J11(12.065,-4.445) J12(10.795,-4.445) J13(9.525,-4.445) J14(8.255,-4.445) J15(6.985,-4.445) J16(5.715,-4.445) J17(4.445,-4.445) J18(3.175,-4.445) J19(1.905,-4.445) J20(0.635,-4.445) J21(-0.635,-4.445) J22(-1.905,-4.445) J23(-3.175,-4.445) J24(-4.445,-4.445) J25(-5.715,-4.445) J26(-6.985,-4.445) J27(-8.255,-4.445) J28(-9.525,-4.445) J29(-10.795,-4.445) J30(-12.065,-4.445) J31(-13.335,-4.445) J32(-14.605,-4.445) J33(-15.875,-4.445) J34(-17.145,-4.445) J35(-18.415,-4.445) J36(-19.685,-4.445) J37(-20.955,-4.445) J38(-22.225,-4.445) J39(-23.495,-4.445) J40(-24.765,-4.445) K1(24.765,-5.715) K2(23.495,-5.715) K3(22.225,-5.715) K4(20.955,-5.715) K5(19.685,-5.715) K6(18.415,-5.715) K7(17.145,-5.715) K8(15.875,-5.715) K9(14.605,-5.715) K10(13.335,-5.715) K11(12.065,-5.715) K12(10.795,-5.715) K13(9.525,-5.715) K14(8.255,-5.715) K15(6.985,-5.715) K16(5.715,-5.715) K17(4.445,-5.715) K18(3.175,-5.715) K19(1.905,-5.715) K20(0.635,-5.715) K21(-0.635,-5.715) K22(-1.905,-5.715) K23(-3.175,-5.715) K24(-4.445,-5.715) K25(-5.715,-5.715) K26(-6.985,-5.715) K27(-8.255,-5.715) K28(-9.525,-5.715) K29(-10.795,-5.715) K30(-12.065,-5.715) K31(-13.335,-5.715) K32(-14.605,-5.715) K33(-15.875,-5.715) K34(-17.145,-5.715) K35(-18.415,-5.715) K36(-19.685,-5.715) K37(-20.955,-5.715) K38(-22.225,-5.715) K39(-23.495,-5.715) K40(-24.765,-5.715)
  round 1.27 hole 1.27 unplated: ""(-27.191,-3.05) ""(27.191,0)
  silkscreen extent -27.89,-7.34 28.78,7.34, body extent -27.84,-7.34 28.83,7.34, height 7.19
SOIC-SN8_N [mm] "SOIC, 8-Leads, Body 4.9x3.9mm, Pitch 1.27mm, IPC Medium Density"
  oval 2.2x0.6 smd: 1(-2.4,1.905) 2(-2.4,0.635) 3(-2.4,-0.635) 4(-2.4,-1.905) 5(2.4,-1.905) 6(2.4,-0.635) 7(2.4,0.635) 8(2.4,1.905)
  silkscreen extent -2.52,-2.5 0.9,2.88, body extent -2,-2.5 2,2.5, height 1.75
SOP65P640X120-14N [mm]
  rect 1.475x0.45 smd: 1(-2.938,1.95) 2(-2.938,1.3) 3(-2.938,0.65) 4(-2.938,0) 5(-2.938,-0.65) 6(-2.938,-1.3) 7(-2.938,-1.95) 8(2.938,-1.95) 9(2.938,-1.3) 10(2.938,-0.65) 11(2.938,0) 12(2.938,0.65) 13(2.938,1.3) 14(2.938,1.95)
  silkscreen extent -3.67,-2.5 1.85,2.52, body extent -3.2,-2.5 3.2,2.5, height 1.13
TECO-5-146280-2_V [mm] "Connector, 2-Leads, Body 4.67x2.34mm, Pitch 2.54mm"
  rect 1.4x1.4 hole 0.89: 1(-1.27,0)
  round 1.4 hole 0.89: 2(1.27,0)
  silkscreen extent -2.33,-1.17 2.33,1.94, body extent -2.34,-1.17 2.34,1.17, height 5.33